# Altium PCB ST-Link V2.PcbDoc
Units mil, origin at the board's own origin, x right, y up, seen from the top; angles counter-clockwise.
Board outline 1620 x 722 mil, 2 copper layers (Top Layer, Bottom Layer); 35 components, 32 nets, 131 pads, 29 vias.
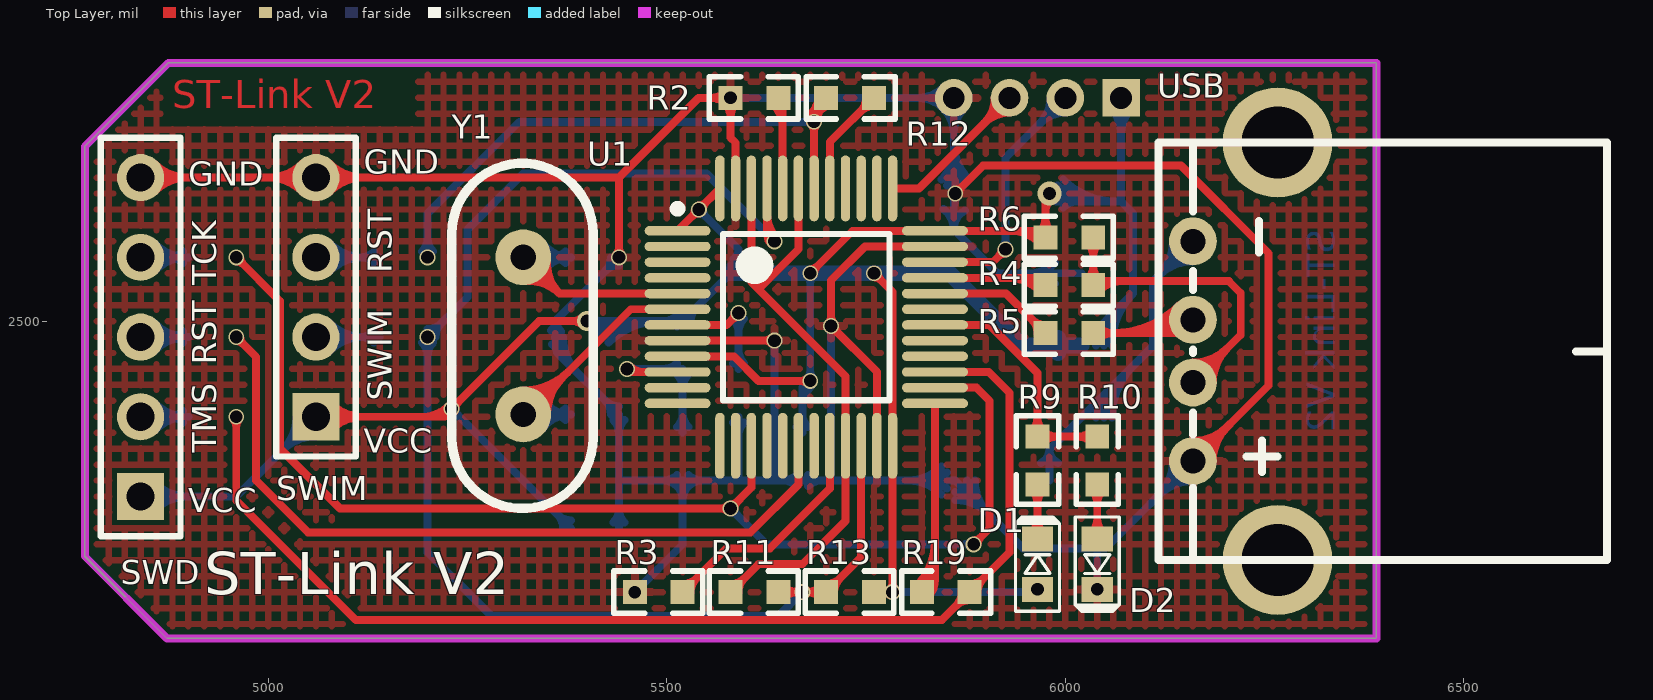
[diagram p0: Top Layer view]
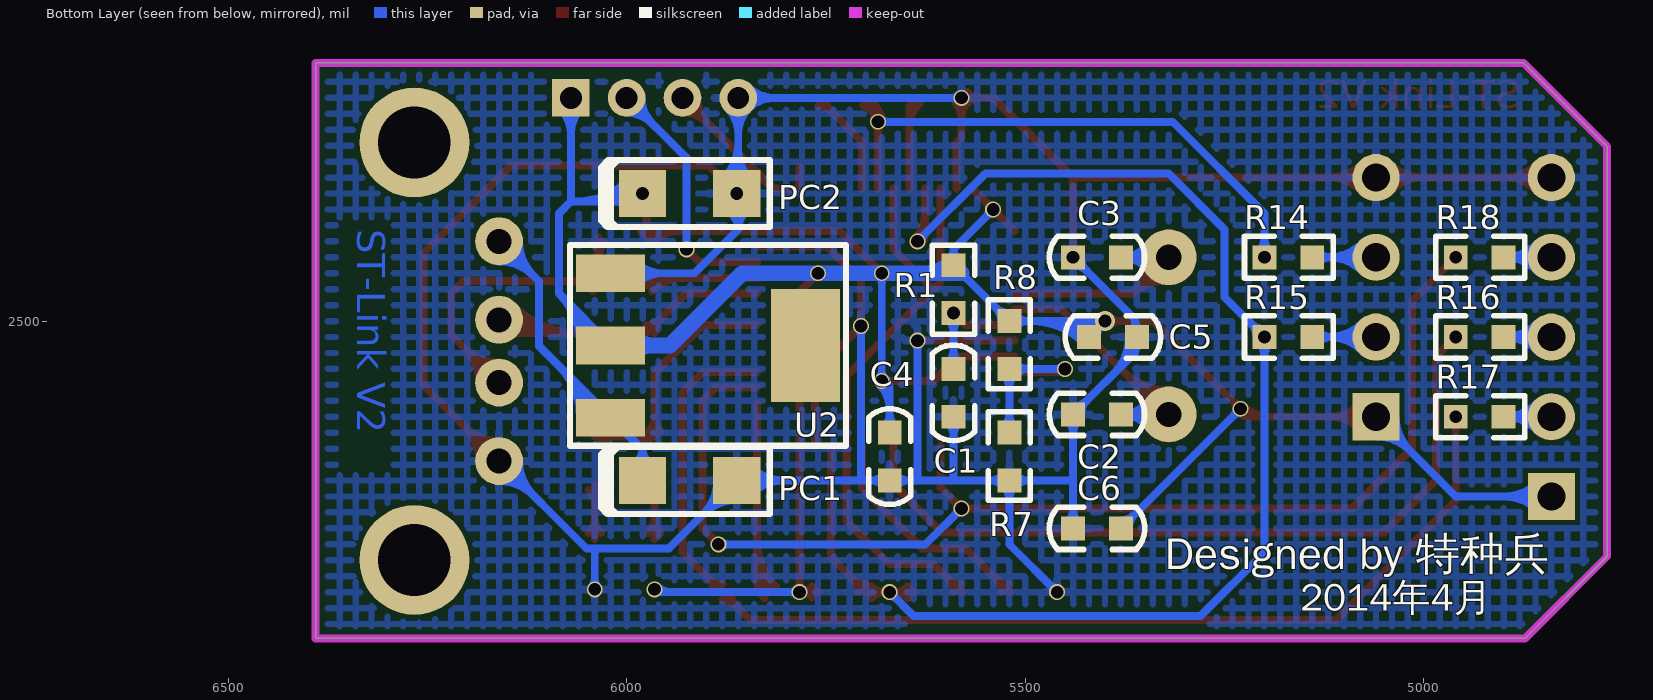
[diagram p1: Bottom Layer view, seen from below]
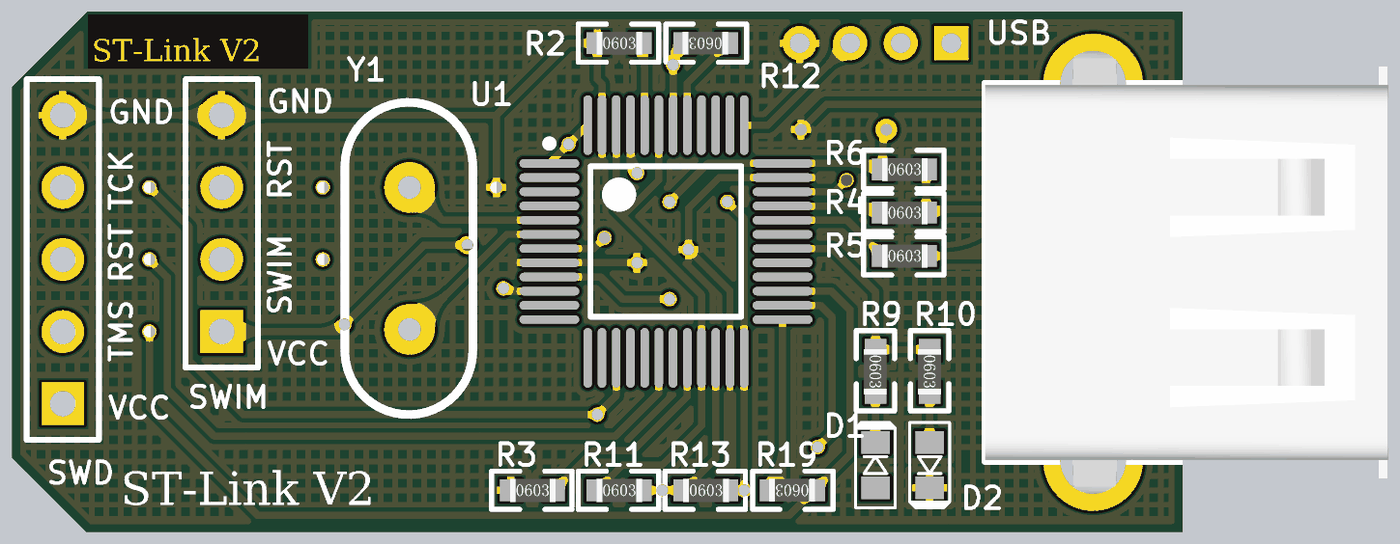
[diagram p2: 3D render of the assembled board from above, using the file's embedded part models]
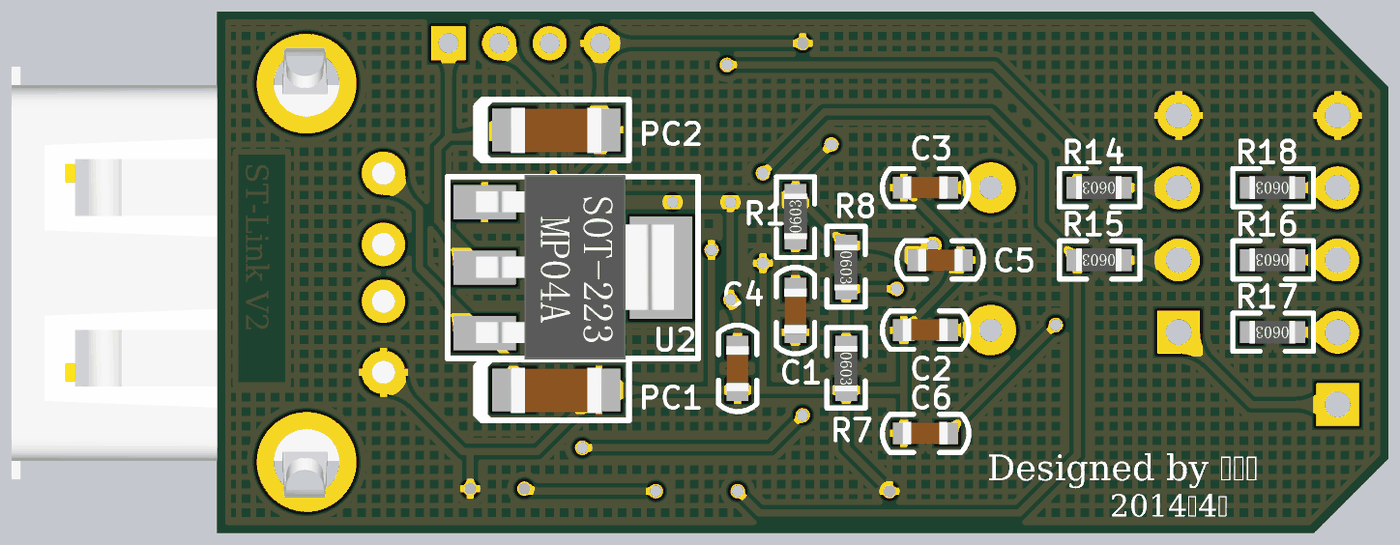
[diagram p3: 3D render of the assembled board from below, using the file's embedded part models]

## Layer stack, top to bottom
Top Layer: signal copper 1.4
Dielectric: dielectric 12.6, FR-4, Dk 4.8
Bottom Layer: signal copper 1.4

## Board outline
4875,2824 6390,2824 6390,2102 4873,2102 4770,2205 4770,2719

## Design rules (kind name [scope] priority, off if disabled: settings)
Clearance [All] p1: gap=6
HoleToHoleClearance [All] p1: gap=1 allowstackedmicrovias=TRUE
MinimumSolderMaskSliver [All] p1: minsoldermaskwidth=1
PlaneConnect [All] p1: planeconnectstyle=Relief reliefexpansion=20 reliefentries=4 reliefconductorwidth=10 reliefairgap=20
PolygonConnect [All] p1: connectstyle=Relief reliefconductorwidth=10 reliefentries=4 polygonreliefangle="90 Angle"
RoutingVias [All] p1: holewidth=50 width=50 viastyle="Through Hole" minholewidth=10 minwidth=10 maxholewidth=25 maxwidth=25
SilkToSilkClearance [All] p1: silktosilkclearance=1
SilkscreenOverComponentPads [All] p1: minsilkscreentomaskgap=1
SolderMaskExpansion [All] p1: expansion=4
Width [All] p1: maxlimit=20 minlimit=10 preferedwidth=10
23 further rules are at their usual default settings.

## Components (designator, comment, footprint, x,y, rotation, side; value= is the part's Value field where it differs from the comment)
C1 "" C0603 5590,2440 r270 bottom
C2 "" C0603 5380,2383 r0 bottom
C3 "" C0603 5380,2580 r0 bottom
C4 "" C0603 5670,2360 r270 bottom
C5 "" C0603 5420,2480 r180 bottom
C6 "" C0603 5380,2240 r0 bottom
D1 "红色" LED0603 5965,2195 r90 top
D2 "绿色" LED0603 6040,2195 r270 top
PC1 "" C1206A 5980,2300 r180 bottom
PC2 "" C1206A 5980,2660 r180 bottom
R1 "" R0603 5590,2510 r90 bottom
R2 "" R0603 5580,2780 r0 top
R3 "" R0603 5460,2160 r0 top
R4 "" R0603 5975,2545 r0 top
R5 "" R0603 5975,2485 r0 top
R6 "" R0603 5975,2605 r0 top
R7 "" R0603 5520,2360 r270 bottom
R8 "" R0603 5520,2500 r270 bottom
R9 "" R0603 5965,2355 r270 top
R10 "" R0603 6040,2355 r270 top
R11 "" R0603 5580,2160 r0 top
R12 "" R0603 5760,2780 r180 top
R13 "" R0603 5700,2160 r0 top
R14 "" R0603 5140,2580 r0 bottom
R15 "" R0603 5140,2480 r0 bottom
R16 "" R0603 4900,2480 r0 bottom
R17 "" R0603 4900,2380 r0 bottom
R18 "" R0603 4900,2580 r0 bottom
R19 "" R0603 5880,2160 r180 top
SWD "SWD" HDR1X5 4840,2280 r90 top
SWIM "SWIM" HDR1X4 5060,2380 r90 top
U1 "STM32F103C8T6" LQFP48_M 5675,2505 r0 top
U2 "AMS1117-3.3" SOT-223 6020,2560 r270 bottom
USB "USB公口" USB-H 6160,2600 r90 top
Y1 "8MHz" JZ 5320,2580 r90 top

## Footprints (in the part's own frame and the unit in brackets; to place one, negate y for a bottom-side part, rotate by r counter-clockwise, add the part's x,y. Pads: shape width x height; smd on the part's side, far side on the other; paste and mask are expansions set on the pad)
C0603 [mil]
  rect 30x30 smd: 1(0,0) 2(60,0)
  silkscreen extent -30,-27 90,27, body extent -1,-16 62,15, height 24
C1206A [mm]
  rect 1.5x1.5 smd: 1(0,0) 2(3,0)
  silkscreen extent -1.32,-1.07 4.06,1.07, body extent -0.1,-0.81 3.1,0.79, height 0.95
HDR1X4 [mm] "Connector; Header; 4 Position"
  rect 1.5x1.5 hole 0.9: 1(0,0)
  round 1.5 hole 0.9: 2(2.54,0) 3(5.08,0) 4(7.62,0)
  silkscreen extent -1.27,-1.27 8.89,1.27
HDR1X5 [mm] "Connector; Header; 5 Position"
  rect 1.5x1.5 hole 0.9: 1(0,0)
  round 1.5 hole 0.9: 2(2.54,0) 3(5.08,0) 4(7.62,0) 5(10.16,0)
  silkscreen extent -1.27,-1.27 11.43,1.27
JZ [mil]
  round 70 hole 31.5: 1(0,0) 2(-197,0)
  silkscreen extent -315,-88 118,90
LED0603 [mm]
  rect 0.8x1 smd: 1(-0.8,0) 2(0.8,0)
  silkscreen extent -1.5,-0.7 1.5,0.7
LQFP48_M [mm] "Thin QFP, 48-Leads, Body 7x7mm, Pitch 0.5mm, IPC Low Density"
  oval 2.1x0.3 smd: 1(-4.1,2.75) 2(-4.1,2.25) 3(-4.1,1.75) 4(-4.1,1.25) 5(-4.1,0.75) 6(-4.1,0.25) 7(-4.1,-0.25) 8(-4.1,-0.75) 9(-4.1,-1.25) 10(-4.1,-1.75) 11(-4.1,-2.25) 12(-4.1,-2.75) 25(4.1,-2.75) 26(4.1,-2.25) 27(4.1,-1.75) 28(4.1,-1.25) 29(4.1,-0.75) 30(4.1,-0.25) 31(4.1,0.25) 32(4.1,0.75) 33(4.1,1.25) 34(4.1,1.75) 35(4.1,2.25) 36(4.1,2.75)
  oval 0.3x2.1 smd: 13(-2.75,-4.1) 14(-2.25,-4.1) 15(-1.75,-4.1) 16(-1.25,-4.1) 17(-0.75,-4.1) 18(-0.25,-4.1) 19(0.25,-4.1) 20(0.75,-4.1) 21(1.25,-4.1) 22(1.75,-4.1) 23(2.25,-4.1) 24(2.75,-4.1) 37(2.75,4.1) 38(2.25,4.1) 39(1.75,4.1) 40(1.25,4.1) 41(0.75,4.1) 42(0.25,4.1) 43(-0.25,4.1) 44(-0.75,4.1) 45(-1.25,4.1) 46(-1.75,4.1) 47(-2.25,4.1) 48(-2.75,4.1)
  silkscreen extent -4.22,-2.65 2.65,3.57, body extent -3.5,-3.5 3.5,3.5, height 1.6
R0603 [mil]
  rect 30x30 smd: 1(0,0) 2(60,0)
  silkscreen extent -26,-27 85,26, body extent -1,-16 62,15, height 18
SOT-223 [mm]
  rect 1.2x2.2 smd: 1(0,0) 2(2.3,0) 3(4.6,0)
  rect 3.6x2.2 smd: 4(2.3,6.2)
  silkscreen extent -0.9,-1.3 5.5,7.5, body extent -0.97,-0.31 5.53,6.66
USB-H [mm]
  round 1.524 hole 0.8: 1(0,0) 2(-2.5,0) 3(-4.5,0) 4(-7,0)
  round 3.5 hole 2.3: 5(-10.15,-2.7) 5(3.15,-2.7)
  silkscreen extent -10.15,-13.2 3.15,1.1, body extent -11.4,-13.06 4.4,1.1, height 7.55

## Part data
C1 C2 C3 C4 C5 C6: library part Cap, "Capacitor"
D1 D2: library part LED2, "Typical RED, GREEN, YELLOW, AMBER GaAs LED"
PC1 PC2: library part "Cap Pol3", "Polarized Capacitor (Surface Mount)"
R1 R2 R3 R4 R5 R6 R7 R8 R9 R10 R11 R12 R13 R14 R15 R16 R17 R18 R19: library part Res2, "Resistor"
SWD: library part "Header 5", "Header, 5-Pin"
SWIM: library part "Header 4", "Header, 4-Pin"
U1: "STM32 ARM-based 32-bit MCU with 64 Kbytes Flash, 48-pin LQFP, Industrial Temperature"
U2: library part TL783C
Y1: library part XTAL, "Crystal Oscillator"

## Free pads (board coordinates)
  rect 47.24x47.24 hole 27.56: 1(6070,2780)
  round 47.24 hole 27.56: 2(6000,2780) 3(5930,2780) 4(5860,2780)

## Via types
v1: diameter 20, hole 16, Top Layer to Bottom Layer, 27 vias
v2: diameter 25, hole 16, Top Layer to Bottom Layer, 1 vias
v3: diameter 30, hole 16, Top Layer to Bottom Layer, 1 vias

## Nets (pads, with @x,y where several pads share a name; then routed paths per layer and width w, separated by ;. In a path a pad name is that pad's centre, name@x,y a point inside that pad or via, vN(x,y) a via of type N, cw(c..) or ccw(c..) an arc to the next point about the centre after c; other vN are vias at no path point)
BOOT0: R2.2 U1.44 | length 151.6
  Top Layer w10: R2.2@5632.93,2772.93 cw(c5602.65,2742.65) 5645.47,2742.65 ; R2.2@5635,2780 5645.47,2769.53 U1.44
BOOT1: R3.2 U1.20 | length 329.9
  Top Layer w10: R3.2 5575,2215 5629.53,2215 5704.53,2290 U1.20 ; R3.2@5520,2170 ccw(c5520,2194.14) 5537.07,2177.07 ccw(c5554.14,2160) R3.2@5530,2160
GND: C1.2 C2.2 C3.2 C4.2 C5.2 C6.2 D2.2 pad.4 PC1.2 PC2.2 R2.1 R3.1 R7.2 SWD.5 SWIM.4 U1.8 U1.23 U1.35 U1.47 U2.1 USB.4 | length 7089
  Top Layer w10: SWD.5 5440,2680 ; SWD.5@4850.27,2669.73 cw(c4875.07,2644.93) 4875.07,2680 cw(c4875.07,2715.07) SWD.5@4850.27,2690.27 ; SWD.5@4857.34,2662.66 cw(c4899.21,2620.79) 4899.21,2680 cw(c4899.21,2739.21) SWD.5@4857.34,2697.34 ; SWIM.4@5042.66,2662.66 ccw(c5000.79,2620.79) 5000.79,2680 ccw(c5000.79,2739.21) SWIM.4@5042.66,2697.34 ; SWIM.4@5049.73,2669.73 ccw(c5024.93,2644.93) 5024.93,2680 ccw(c5024.93,2715.07) SWIM.4@5049.73,2690.27 ; SWIM.4@5070.27,2669.73 cw(c5095.07,2644.93) 5095.07,2680 cw(c5095.07,2715.07) SWIM.4@5070.27,2690.27 ; SWIM.4@5077.34,2662.66 cw(c5119.21,2620.79) 5119.21,2680 cw(c5119.21,2739.21) SWIM.4@5077.34,2697.34 ; v1@5436.46,2583.54 ccw(c5427.93,2592.07) 5440,2592.07 ccw(c5452.07,2592.07) v1@5443.54,2583.54 ; v1(5440,2580) 5440,2680 ; U1.8 v1(5635,2475.47) ; R2.1@5572.93,2787.07 cw(c5555.86,2804.14) 5555.86,2780 cw(c5555.86,2755.86) 5572.93,2772.93 cw(c5555.86,2755.86) 5580,2755.86 cw(c5604.14,2755.86) R2.1@5587.07,2772.93 ; R2.1@5576.46,2783.54 cw(c5567.93,2792.07) 5567.93,2780 cw(c5567.93,2767.93) 5576.46,2776.46 cw(c5567.93,2767.93) 5580,2767.93 cw(c5592.07,2767.93) R2.1@5583.54,2776.46 ; U1.47 5586.42,2723.58 5580,2730 v1(5580,2780) 5540,2780 5440,2680 ; v1@5631.46,2471.94 ccw(c5622.93,2463.4) 5622.93,2475.47 ccw(c5622.93,2487.54) v1@5631.46,2479.01 ; v1@5702.64,2497.36 ccw(c5694.11,2505.89) 5706.18,2505.89 ccw(c5718.25,2505.89) v1@5709.71,2497.36 ; v1@5706.18,2488.82 cw(c5706.18,2476.75) 5714.71,2485.29 cw(c5723.25,2493.82) v1@5711.18,2493.82 ; U1.23 5763.58,2436.42 v1(5706.18,2493.82) 5706.18,2551.18 5748.58,2593.58 U1.35 ; pad.4 pad.4@5860,2785.56 ; v1(5861.89,2660) 5896.89,2695 6145,2695 6255,2585 6255,2419.41 USB.4 ; v1@5861.89,2665 ccw(c5861.89,2677.07) 5870.43,2668.54 ccw(c5878.96,2660) v1@5866.89,2660 ; USB.4@6160,2339.41 ccw(c6160,2375.62) 6185.61,2350.02 ccw(c6211.21,2324.41) USB.4@6175,2324.41 ; USB.4@6160,2349.41 ccw(c6160,2409.77) 6202.68,2367.09 ccw(c6245.36,2324.41) USB.4@6185,2324.41
  Bottom Layer w10: C5.2@5354.7,2488.48 ccw(c5345.98,2502.43) 5362.43,2502.43 ; C5.2@5355.74,2470.95 cw(c5350.79,2460.42) 5362.43,2460.42 ; C5.2 ccw(c5401.04,2480) 5372.02,2450.98 ; 5362.43,2461.72 cw(c5378.28,2461.72) C5.2@5367.07,2472.93 ; 5362.43,2498.28 ccw(c5378.28,2498.28) C5.2@5367.07,2487.07 ; C5.2@5370,2480 ccw(c5435.18,2480) 5389.09,2433.91 ; C2.2@5430,2383 ccw(c5405.86,2383) 5422.93,2400.07 ccw(c5440,2417.14) C2.2@5440,2393 ; C3.2@5430,2580 cw(c5405.86,2580) 5422.93,2562.93 cw(c5440,2545.86) C3.2@5440,2570 ; C6.2@5432.93,2247.07 ccw(c5415.86,2264.14) 5440,2264.14 ccw(c5464.14,2264.14) C6.2@5447.07,2247.07 ; C2.2@5432.93,2375.93 cw(c5415.86,2358.86) 5440,2358.86 cw(c5464.14,2358.86) C2.2@5447.07,2375.93 ; C3.2@5435,2580 cw(c5422.93,2580) 5431.46,2571.46 cw(c5440,2562.93) C3.2@5440,2575 ; C3.2@5437,2580 v1(5440,2580) 5362.43,2502.43 ; C6.2 5440,2300 ; v1(5460,2160) 5520,2220 R7.2 ; v1@5460,2165 ccw(c5460,2177.07) 5468.54,2168.54 ccw(c5477.07,2160) v1@5465,2160 ; R7.2@5512.93,2307.07 cw(c5495.86,2324.14) 5495.86,2300 cw(c5495.86,2275.86) 5512.93,2292.93 cw(c5495.86,2275.86) 5520,2275.86 cw(c5544.14,2275.86) 5527.07,2292.93 cw(c5544.14,2275.86) 5544.14,2300 cw(c5544.14,2324.14) R7.2@5527.07,2307.07 ; v1(5580,2780) pad.4 5860,2615 5915,2560 U2.1 ; C1.2@5582.93,2372.93 cw(c5565.86,2355.86) 5590,2355.86 cw(c5614.14,2355.86) C1.2@5597.07,2372.93 ; v1@5583.54,2776.46 cw(c5592.07,2767.93) 5592.07,2780 cw(c5592.07,2792.07) v1@5583.54,2783.54 ; C1.2 5590,2300 ; v1@5631.46,2471.94 cw(c5622.93,2463.4) 5635,2463.4 cw(c5647.07,2463.4) v1@5638.54,2471.94 ; v1(5635,2475.47) 5635,2300 ; C4.2@5662.93,2292.93 ccw(c5645.86,2275.86) 5645.86,2300 ccw(c5645.86,2324.14) C4.2@5662.93,2307.07 ; C4.2@5677.07,2292.93 cw(c5694.14,2275.86) 5694.14,2300 cw(c5694.14,2324.14) C4.2@5677.07,2307.07 ; v1@5702.64,2490.29 cw(c5694.11,2481.75) 5706.18,2481.75 cw(c5718.25,2481.75) v1@5709.71,2490.29 ; v1(5706.18,2493.82) 5706.18,2300 ; PC1.2@5844.55,2282.66 ccw(c5802.68,2240.79) 5802.68,2300 ccw(c5802.68,2359.21) PC1.2@5844.55,2317.34 ; PC2.2@5844.55,2677.34 ccw(c5807.24,2714.65) 5860,2714.65 ; pad.4@5846.83,2793.17 cw(c5815.04,2824.96) 5815.04,2780 cw(c5815.04,2735.04) 5846.83,2766.83 cw(c5815.04,2735.04) 5860,2735.04 cw(c5904.96,2735.04) pad.4@5873.17,2766.83 ; PC2.2@5847.26,2640.32 cw(c5828.41,2614.96) 5860,2614.96 cw(c5887.07,2614.96) PC2.2@5873.86,2638.59 ; PC1.2@5851.62,2289.73 ccw(c5826.82,2264.93) 5826.82,2300 ccw(c5826.82,2335.07) PC1.2@5851.62,2310.27 ; PC2.2@5851.62,2670.27 ccw(c5831.38,2690.51) 5860,2690.51 ; PC2.2@5860,2643.37 cw(c5878.52,2643.37) PC2.2@5865.43,2656.46 ; PC2.2@5860,2676.63 ccw(c5878.52,2676.63) PC2.2@5865.43,2663.54 ; 5860,2699.63 ccw(c5901.52,2699.63) PC2.2@5872.16,2670.27 ; 5860,2723.78 ccw(c5925.67,2723.78) PC2.2@5879.23,2677.34 ; PC1.2@5861.89,2275.47 cw(c5861.89,2216.26) 5903.76,2258.13 cw(c5945.63,2300) PC1.2@5886.42,2300 ; PC1.2@5861.89,2285.47 cw(c5861.89,2250.4) 5886.69,2275.2 cw(c5911.49,2300) PC1.2@5876.42,2300 ; U2.1@5987.15,2546.83 ccw(c5955.36,2515.04) 5955.36,2560 ccw(c5955.36,2604.96) U2.1@5987.15,2573.17 ; v1@6036.46,2167.04 ccw(c6027.93,2175.57) 6040,2175.57 ccw(c6052.07,2175.57) v1@6043.54,2167.04 ; v1(6040,2163.5) 6040,2215 ; USB.4@6135,2324.41 cw(c6074.64,2324.41) 6117.32,2281.73 cw(c6160,2239.05) USB.4@6160,2299.41 ; USB.4@6145,2324.41 cw(c6108.79,2324.41) 6134.39,2298.8 cw(c6160,2273.2) USB.4@6160,2309.41 ; USB.4 6050.59,2215 6040,2215 ; 5362.43,2502.43 5362.43,2460.57 C2.2 5440,2300 ; 5440,2300 R7.2 ; R7.2 5590,2300 ; 5590,2300 5635,2300 ; 5635,2300 5706.18,2300 ; 5706.18,2300 PC1.2 5946.89,2215 6040,2215
ISP_SWCLK: pad.3 U1.37 | length 291.2
  Top Layer w10: U1.37@5783.27,2693.27 U1.37 5816.42,2666.42 pad.3 ; pad.3@5911.38,2780 cw(c5866.42,2780) 5898.21,2748.21 cw(c5930,2716.42) pad.3@5930,2761.38
ISP_SWDIO: pad.2 U1.34 | length 424.9
  Top Layer w10: U1.34 5908.9,2573.9 v1(5925,2590) ; v1@5920,2590 cw(c5907.93,2590) 5916.46,2581.46 cw(c5925,2572.93) v1@5925,2585
  Bottom Layer w10: v1@5921.46,2593.54 ccw(c5912.93,2602.07) 5925,2602.07 ccw(c5937.07,2602.07) v1@5928.54,2593.54 ; v1(5925,2590) 5925,2705 pad.2 ; pad.2@5981.38,2780 cw(c5936.42,2780) 5968.21,2748.21 cw(c6000,2716.42) pad.2@6000,2761.38
JTCK: R18.2 U1.15 U1.26 | length 1649.3
  Top Layer w10: v1@4960,2575 cw(c4960,2562.93) 4968.54,2571.46 cw(c4977.07,2580) v1@4965,2580 ; v1(4960,2580) 5015,2525 5015,2340 5090,2265 v1(5580,2265) 5606.1,2291.1 U1.15 ; v1@5576.46,2261.46 ccw(c5567.93,2252.93) 5567.93,2265 ccw(c5567.93,2277.07) v1@5576.46,2268.54 ; v1@5580,2270 ccw(c5580,2282.07) 5588.54,2273.54 ccw(c5597.07,2265) v1@5585,2265 ; U1.26 5888.58,2416.42 5905,2400 5905,2240 v1(5885,2220) ; v1@5885,2225 ccw(c5885,2237.07) 5893.54,2228.54 ccw(c5902.07,2220) v1@5890,2220
  Bottom Layer w10: v1@5580,2260 cw(c5580,2247.93) 5588.54,2256.46 cw(c5597.07,2265) v1@5585,2265 ; v1(5580,2265) 5625,2220 v1(5885,2220) ; v1@5881.46,2216.46 ccw(c5872.93,2207.93) 5872.93,2220 ccw(c5872.93,2232.07) v1@5881.46,2223.54
JTMS: R17.2 R19.1 U1.27 | length 1571.5
  Top Layer w10: v1@4956.46,2376.46 cw(c4947.93,2367.93) 4960,2367.93 cw(c4972.07,2367.93) v1@4963.54,2376.46 ; v1(4960,2380) 4960,2275 5110,2125 5845,2125 R19.1 5930,2210 5930,2410 5903.9,2436.1 U1.27 ; R19.1@5870,2160 cw(c5845.86,2160) 5862.93,2142.93 cw(c5880,2125.86) R19.1@5880,2150 ; R19.1@5880,2170 ccw(c5880,2194.14) 5897.07,2177.07 ccw(c5914.14,2160) R19.1@5890,2160
LED: R9.1 R10.1 U1.30 | length 422.3
  Top Layer w10: U1.30 5904.84,2495.16 5965,2435 R9.1 R10.1 ; R9.1@5957.93,2362.07 ccw(c5940.86,2379.14) 5965,2379.14 ccw(c5989.14,2379.14) 5972.07,2362.07 ccw(c5989.14,2379.14) 5989.14,2355 ccw(c5989.14,2330.86) R9.1@5972.07,2347.93 ; R10.1@6032.93,2347.93 ccw(c6015.86,2330.86) 6015.86,2355 ccw(c6015.86,2379.14) R10.1@6032.93,2362.07
NetD1_2: D1.2 R9.2 | length 147.2
  Top Layer w10: D1.2@5957.4,2234.1 ccw(c5939.05,2252.44) 5965,2252.44 ccw(c5990.95,2252.44) D1.2@5972.6,2234.1 ; R9.2@5957.93,2287.93 cw(c5940.86,2270.86) 5965,2270.86 cw(c5989.14,2270.86) R9.2@5972.07,2287.93 ; D1.2 R9.2
NetD2_1: D2.1 R10.2 | length 147.2
  Top Layer w10: D2.1@6032.4,2234.1 ccw(c6014.05,2252.44) 6040,2252.44 ccw(c6065.95,2252.44) D2.1@6047.6,2234.1 ; R10.2@6032.93,2287.93 cw(c6015.86,2270.86) 6040,2270.86 cw(c6064.14,2270.86) R10.2@6047.07,2287.93 ; D2.1 R10.2
NetR4_1: R4.1 U1.33 | length 210.8
  Top Layer w10: U1.33 5965.79,2554.21 R4.1 ccw(c5952.76,2522.76) 5952.76,2554.21 ; 5928.62,2554.21 cw(c5928.62,2498.62) R4.1@5967.93,2537.93
NetR5_1: R5.1 U1.32 | length 197
  Top Layer w10: U1.32 5925.47,2534.53 R5.1 ; R5.1@5965,2485 ccw(c5940.86,2485) 5957.93,2502.07 ccw(c5975,2519.14) R5.1@5975,2495
NetR14_1: R14.1 SWIM.3 | length 266
  Bottom Layer w10: SWIM.3 R14.1 ; SWIM.3@5070.27,2569.73 cw(c5095.07,2544.93) 5095.07,2580 cw(c5095.07,2615.07) SWIM.3@5070.27,2590.27 ; SWIM.3@5077.34,2562.66 cw(c5119.21,2520.79) 5119.21,2580 cw(c5119.21,2639.21) SWIM.3@5077.34,2597.34 ; R14.1@5132.93,2572.93 ccw(c5115.86,2555.86) 5115.86,2580 ccw(c5115.86,2604.14) R14.1@5132.93,2587.07
NetR15_1: R15.1 SWIM.2 | length 266
  Bottom Layer w10: SWIM.2 R15.1 ; SWIM.2@5070.27,2469.73 cw(c5095.07,2444.93) 5095.07,2480 cw(c5095.07,2515.07) SWIM.2@5070.27,2490.27 ; SWIM.2@5077.34,2462.66 cw(c5119.21,2420.79) 5119.21,2480 cw(c5119.21,2539.21) SWIM.2@5077.34,2497.34 ; R15.1@5132.93,2472.93 ccw(c5115.86,2455.86) 5115.86,2480 ccw(c5115.86,2504.14) R15.1@5132.93,2487.07
NetR16_1: R16.1 SWD.3 | length 246
  Bottom Layer w10: SWD.3 R16.1 ; SWD.3@4850.27,2469.73 cw(c4875.07,2444.93) 4875.07,2480 cw(c4875.07,2515.07) SWD.3@4850.27,2490.27 ; SWD.3@4857.34,2462.66 cw(c4899.21,2420.79) 4899.21,2480 cw(c4899.21,2539.21) SWD.3@4857.34,2497.34 ; R16.1@4892.93,2472.93 ccw(c4875.86,2455.86) 4875.86,2480 ccw(c4875.86,2504.14) R16.1@4892.93,2487.07
NetR17_1: R17.1 SWD.2 | length 246
  Bottom Layer w10: SWD.2 R17.1 ; SWD.2@4850.27,2369.73 cw(c4875.07,2344.93) 4875.07,2380 cw(c4875.07,2415.07) SWD.2@4850.27,2390.27 ; SWD.2@4857.34,2362.66 cw(c4899.21,2320.79) 4899.21,2380 cw(c4899.21,2439.21) SWD.2@4857.34,2397.34 ; R17.1@4892.93,2372.93 ccw(c4875.86,2355.86) 4875.86,2380 ccw(c4875.86,2404.14) R17.1@4892.93,2387.07
NetR18_1: R18.1 SWD.4 | length 246
  Bottom Layer w10: SWD.4 R18.1 ; SWD.4@4850.27,2569.73 cw(c4875.07,2544.93) 4875.07,2580 cw(c4875.07,2615.07) SWD.4@4850.27,2590.27 ; SWD.4@4857.34,2562.66 cw(c4899.21,2520.79) 4899.21,2580 cw(c4899.21,2639.21) SWD.4@4857.34,2597.34 ; R18.1@4892.93,2572.93 ccw(c4875.86,2555.86) 4875.86,2580 ccw(c4875.86,2604.14) R18.1@4892.93,2587.07
NRST: R16.2 U1.18 | length 989.7
  Top Layer w10: v1@4960,2475 cw(c4960,2462.93) 4968.54,2471.46 cw(c4977.07,2480) v1@4965,2480 ; v1(4960,2480) 4985,2455 4985,2300 5050,2235 5605,2235 5665.16,2295.16 U1.18
OSC_IN: C3.1 U1.5 Y1.1 | length 606.3
  Top Layer w10: Y1.1 5365.47,2534.53 ; Y1.1@5321.75,2560.08 cw(c5324.9,2524.27) 5350.31,2549.69 cw(c5375.73,2575.1) Y1.1@5339.92,2578.25 ; Y1.1@5322.63,2550.12 cw(c5327.34,2496.4) 5365.47,2534.53 ; Y1.1@5349.88,2577.37 ccw(c5403.6,2572.66) 5365.47,2534.53 ; U1.5 5365.47,2534.53
  Bottom Layer w10: Y1.1 C3.1 ; Y1.1@5336,2568 cw(c5360,2550) 5360,2580 cw(c5360,2610) Y1.1@5336,2592 ; Y1.1@5344,2562 cw(c5380,2535.01) C3.1 ; Y1.1@5344,2598 ccw(c5380,2624.99) C3.1 ; C3.1@5372.93,2572.93 ccw(c5355.86,2555.86) 5355.86,2580 ccw(c5355.86,2604.14) C3.1@5372.93,2587.07
OSC_OUT: C2.1 U1.6 Y1.2 | length 671.8
  Top Layer w10: Y1.2@5320,2403 ccw(c5320,2458.53) 5359.26,2419.26 ; Y1.2@5320,2413 ccw(c5320,2492.67) 5376.33,2436.33 ; Y1.2@5323,2383 5454.84,2514.84 U1.6 ; Y1.2@5340,2383 cw(c5381.04,2383) 5352.02,2412.02 ; Y1.2@5350,2383 cw(c5415.18,2383) 5369.09,2429.09
  Bottom Layer w10: Y1.2 C2.1 ; Y1.2@5336,2371 cw(c5360,2353) 5360,2383 cw(c5360,2413) Y1.2@5336,2395 ; Y1.2@5344,2365 cw(c5380,2338.01) C2.1 ; Y1.2@5344,2401 ccw(c5380,2427.99) C2.1 ; C2.1@5372.93,2375.93 ccw(c5355.86,2358.86) 5355.86,2383 ccw(c5355.86,2407.14) C2.1@5372.93,2390.07
PA0: R7.1 R8.2 U1.10 | length 367.9
  Top Layer w10: v1(5450,2440) 5453.9,2436.1 U1.10 ; v1@5453.54,2443.54 ccw(c5471.48,2461.48) 5471.48,2436.1
  Bottom Layer w10: v1(5450,2440) R8.2 R7.1 ; v1@5453.54,2436.46 cw(c5462.07,2427.93) 5462.07,2440 cw(c5462.07,2452.07) v1@5453.54,2443.54 ; R7.1@5512.93,2367.07 ccw(c5495.86,2384.14) 5520,2384.14 ccw(c5544.14,2384.14) R7.1@5527.07,2367.07 ; R8.2@5512.93,2447.07 cw(c5495.86,2464.14) 5495.86,2440 cw(c5495.86,2415.86) 5512.93,2432.93 cw(c5495.86,2415.86) 5520,2415.86 cw(c5544.14,2415.86) R8.2@5527.07,2432.93
RST: C1.1 R1.1 U1.7 | length 266.3
  Top Layer w10: U1.7 5575.16,2495.16 v1(5590,2510) ; v1@5585,2510 cw(c5572.93,2510) 5581.46,2501.46 cw(c5590,2492.93) v1@5590,2505
  Bottom Layer w10: C1.1@5582.93,2447.07 ccw(c5565.86,2464.14) 5590,2464.14 ccw(c5614.14,2464.14) C1.1@5597.07,2447.07 ; R1.1@5582.93,2502.93 cw(c5565.86,2485.86) 5590,2485.86 cw(c5614.14,2485.86) R1.1@5597.07,2502.93 ; R1.1@5586.46,2506.46 cw(c5577.93,2497.93) 5590,2497.93 cw(c5602.07,2497.93) R1.1@5593.54,2506.46 ; C1.1 v1(5590,2510)
RX: U1.31
SWDIO_IN: R19.2 U1.25 | length 411.3
  Top Layer w10: R19.2@5812.93,2167.07 ccw(c5756.22,2223.78) 5836.42,2223.78 ; R19.2@5820.28,2170 ccw(c5820.9,2191.94) 5836.42,2176.42 ; R19.2@5827.07,2152.93 ccw(c5804.51,2175.49) 5836.42,2175.49 ; R19.2@5830,2160.28 cw(c5851.94,2160.9) 5836.42,2176.42 ; 5836.42,2199.63 cw(c5780.37,2199.63) R19.2 5836.42,2176.42 ; U1.25 5836.42,2176.42
SWIM: R11.2 R13.1 R15.2 U1.22 U1.45 | length 2075.3
  Top Layer w10: 5625.79,2610.17 ccw(c5645.17,2610.17) v1@5631.46,2596.46 ; U1.45@5625.79,2634.31 ccw(c5669.31,2634.31) v1@5638.54,2603.54 ; U1.45 5625.79,2609.21 v1(5635,2600) ; R11.2 R13.1 5743.9,2203.9 U1.22 ; R11.2@5647.07,2152.93 cw(c5664.14,2135.86) 5664.14,2160 cw(c5664.14,2184.14) R11.2@5647.07,2167.07 ; v1@5666.46,2156.46 ccw(c5657.93,2147.93) 5657.93,2160 ccw(c5657.93,2172.07) v1@5666.46,2163.54 ; v1@5673.54,2156.46 cw(c5682.07,2147.93) 5682.07,2160 cw(c5682.07,2172.07) v1@5673.54,2163.54 ; R13.1@5692.93,2152.93 ccw(c5675.86,2135.86) 5675.86,2160 ccw(c5675.86,2184.14) R13.1@5692.93,2167.07 ; R13.1@5700,2170 ccw(c5700,2194.14) 5717.07,2177.07 ccw(c5734.14,2160) R13.1@5710,2160
  Bottom Layer w10: R15.2@5192.93,2472.93 cw(c5175.86,2455.86) 5200,2455.86 cw(c5224.14,2455.86) R15.2@5207.07,2472.93 ; R15.2@5196.46,2476.46 cw(c5187.93,2467.93) 5200,2467.93 cw(c5212.07,2467.93) R15.2@5203.54,2476.46 ; R15.2@5200,2485 ccw(c5200,2497.07) 5208.54,2488.54 ccw(c5217.07,2480) R15.2@5205,2480 ; R15.2@5200,2490 ccw(c5200,2514.14) 5217.07,2497.07 ccw(c5234.14,2480) R15.2@5210,2480 ; v1@5630,2600 ccw(c5617.93,2600) 5626.46,2608.54 ccw(c5635,2617.07) v1@5635,2605 ; v1(5635,2600) 5550,2685 5320,2685 5250,2615 5250,2530 v1(5200,2480) 5200,2210 5280,2130 5640,2130 v1(5670,2160) ; v1@5665,2160 cw(c5652.93,2160) 5661.46,2151.46 cw(c5670,2142.93) v1@5670,2155
SWIM_IN: R11.1 U1.21 U1.43 U1.46 | length 917.5
  Top Layer w10: R11.1 5615,2195 5670,2195 5724.21,2249.21 U1.21 5724.21,2430.79 5606.1,2548.9 ; R11.1@5580,2170 ccw(c5580,2194.14) 5597.07,2177.07 ccw(c5614.14,2160) R11.1@5590,2160 ; 5606.1,2593.9 U1.46 5606.1,2548.9 ; U1.43 5665.16,2590.16 5615,2540 5606.1,2548.9
SWIM_RST: R12.2 R14.2 U1.42 | length 961.5
  Top Layer w10: v1@5679.88,2749.41 cw(c5699.16,2751.7) R12.2@5685.43,2765.43 ; v1@5681.31,2746.46 cw(c5672.77,2737.93) 5684.84,2737.93 cw(c5696.91,2737.93) v1@5688.38,2746.46 ; v1@5681.31,2753.54 ccw(c5672.77,2762.07) 5684.84,2762.07 ccw(c5696.91,2762.07) v1@5688.38,2753.54 ; U1.42 v1(5684.84,2750) 5684.84,2764.84 ; v1@5684.84,2746.39 cw(c5709.87,2746.39) R12.2@5702.82,2770.41 ; v1@5684.84,2759.75 cw(c5705.95,2759.75) R12.2 ; v1@5689.81,2750.59 cw(c5725.2,2754.79) R12.2 ; R12.2@5690.04,2779.12 cw(c5672.13,2777.55) 5684.84,2764.84 ; R12.2@5699.12,2770.04 ccw(c5697.55,2752.13) 5684.84,2764.84 ; 5684.84,2764.84 R12.2
  Bottom Layer w10: R14.2@5192.93,2587.07 ccw(c5175.86,2604.14) 5200,2604.14 ccw(c5224.14,2604.14) R14.2@5207.07,2587.07 ; R14.2@5196.46,2583.54 ccw(c5187.93,2592.07) 5200,2592.07 ccw(c5212.07,2592.07) R14.2@5203.54,2583.54 ; v1(5200,2580) 5200,2635 5315,2750 v1(5684.84,2750) ; v1@5681.31,2746.46 ccw(c5672.77,2737.93) 5672.77,2750 ccw(c5672.77,2762.07) v1@5681.31,2753.54
SWIM_RST_IN: R12.1 U1.41 | length 174.5
  Top Layer w10: U1.41 5704.53,2724.53 R12.1 ; R12.1@5750,2780 cw(c5725.86,2780) 5742.93,2762.93 cw(c5760,2745.86) R12.1@5760,2770
USB_DM: R5.2 USB.2 | length 423.4
  Top Layer w10: R5.2 6143.42,2485 USB.2 ; R5.2@6042.07,2477.93 cw(c6059.14,2460.86) 6059.14,2485 cw(c6059.14,2509.14) R5.2@6042.07,2492.07 ; 6059.63,2485 ccw(c6059.63,2601.95) USB.2@6142.32,2519.25 ; 6083.77,2485 ccw(c6083.77,2577.8) USB.2@6149.39,2512.18 ; 6107.91,2485 ccw(c6107.91,2553.66) USB.2@6156.46,2505.11 ; 6132.06,2485 ccw(c6132.06,2529.52) USB.2@6163.54,2498.04
USB_DP: R4.2 R6.2 USB.3 | length 643.1
  Top Layer w10: R4.2@6027.93,2552.07 ccw(c6010.86,2569.14) 6035,2569.14 ccw(c6059.14,2569.14) R4.2@6042.07,2552.07 ; R6.2@6027.93,2597.93 cw(c6010.86,2580.86) 6035,2580.86 cw(c6059.14,2580.86) R6.2@6042.07,2597.93 ; R6.2 6035,2550 6205,2550 6220,2535 6220,2482.84 USB.3 ; R4.2@6042.07,2537.93 cw(c6071.21,2508.79) 6071.21,2550 ; USB.3@6160,2437.84 ccw(c6160,2474.05) 6185.61,2448.44 ccw(c6211.21,2422.84) USB.3@6175,2422.84 ; USB.3@6160,2447.84 ccw(c6160,2508.19) 6202.68,2465.51 ccw(c6245.36,2422.84) USB.3@6185,2422.84
V5.0: PC1.1 U2.3 USB.1 | length 729.1
  Bottom Layer w10: PC1.1@5969.43,2322.13 ccw(c5961.42,2338.9) 5980,2338.9 ; PC1.1 5980,2338.9 ; PC1.1@5990.57,2322.13 cw(c5998.58,2338.9) 5980,2338.9 ; U2.3@6038.31,2378.9 cw(c6082.5,2378.9) 6051.25,2410.15 ; U2.3@6048.31,2378.9 cw(c6116.65,2378.9) 6068.32,2427.22 ; U2.3@6058.31,2378.9 cw(c6150.79,2378.9) 6085.39,2444.29 ; USB.1@6135,2600 cw(c6074.64,2600) 6117.32,2557.32 cw(c6160,2514.64) USB.1@6160,2575 ; USB.1@6145,2600 cw(c6108.79,2600) 6134.39,2574.39 cw(c6160,2548.79) USB.1@6160,2585 ; USB.1 6110,2550 6110,2468.9 U2.3 5980,2338.9
VCC: C4.1 C5.1 C6.1 D1.1 pad.1 PC2.1 R1.2 R6.1 R8.1 R13.2 SWD.1 SWIM.1 U1.1 U1.9 U1.24 U1.36 U1.48 U2.2 | length 5608.7
  Top Layer w10: SWIM.1 5220,2380 5340,2500 v2(5400,2500) ; SWIM.1@5070.27,2369.73 cw(c5095.07,2344.93) 5095.07,2380 cw(c5095.07,2415.07) SWIM.1@5070.27,2390.27 ; SWIM.1@5077.34,2362.66 cw(c5119.21,2320.79) 5119.21,2380 cw(c5119.21,2439.21) SWIM.1@5077.34,2397.34 ; 5193.79,2380 ccw(c5193.79,2426.21) v1@5226.46,2393.54 ; 5217.93,2380 ccw(c5217.93,2402.07) v1@5233.54,2386.46 ; v1@5230,2395 ccw(c5230,2407.07) 5238.54,2398.54 ccw(c5247.07,2390) v1@5235,2390 ; v2@5394.7,2494.7 ccw(c5381.89,2481.89) 5381.89,2500 ccw(c5381.89,2518.11) v2@5394.7,2505.3 ; U1.9 5584.21,2455.79 5615,2425 v1(5680,2425) ; U1.1 v1(5540.21,2639.9) U1.48 ; v1@5535.21,2639.9 cw(c5523.14,2639.9) 5531.68,2631.36 cw(c5540.21,2622.83) v1@5540.21,2634.9 ; v1@5540.21,2644.9 ccw(c5540.21,2656.97) 5548.75,2648.43 ccw(c5557.28,2639.9) v1@5545.21,2639.9 ; v1@5676.46,2421.46 ccw(c5667.93,2412.93) 5667.93,2425 ccw(c5667.93,2437.07) v1@5676.46,2428.54 ; v1(5680,2560) 5733.27,2613.27 U1.36 5966.73,2613.27 R6.1 ; v1@5680,2565 ccw(c5680,2577.07) 5688.54,2568.54 ccw(c5697.07,2560) v1@5685,2560 ; R13.2 v1(5783.27,2160) ; v1@5760,2555 cw(c5760,2542.93) 5768.54,2551.46 cw(c5777.07,2560) v1@5765,2560 ; v1(5760,2560) 5783.27,2536.73 U1.24 v1(5783.27,2160) ; R13.2@5767.26,2153.12 cw(c5783.27,2137.93) v1(5783.27,2160) ; R13.2@5767.26,2166.88 ccw(c5783.27,2182.07) v1(5783.27,2160) ; v1@5779.73,2156.46 ccw(c5771.2,2147.93) 5771.2,2160 ccw(c5771.2,2172.07) 5779.73,2163.54 ccw(c5771.2,2172.07) 5783.27,2172.07 ccw(c5795.34,2172.07) v1@5786.8,2163.54 ; 5930.9,2613.27 cw(c5930.9,2560.9) R6.1@5967.93,2597.93 ; 5955.04,2613.27 cw(c5955.04,2585.04) R6.1 ; R6.1@5967.93,2612.07 ccw(c5950.86,2629.14) 5975,2629.14 ccw(c5999.14,2629.14) R6.1@5982.07,2612.07 ; 5975,2635.86 cw(c6004.14,2635.86) v3@5983.54,2656.46 ; v3(5980,2660) 5975,2655 R6.1
  Bottom Layer w10: SWD.1 4960,2280 SWIM.1 ; SWD.1@4850.27,2269.73 cw(c4875.07,2244.93) 4875.07,2280 cw(c4875.07,2315.07) SWD.1@4850.27,2290.27 ; SWD.1@4857.34,2262.66 cw(c4899.21,2220.79) 4899.21,2280 cw(c4899.21,2339.21) SWD.1@4857.34,2297.34 ; SWIM.1@5035.47,2380 cw(c4976.26,2380) 5018.13,2338.13 cw(c5060,2296.26) SWIM.1@5060,2355.47 ; SWIM.1@5045.47,2380 cw(c5010.4,2380) 5035.2,2355.2 cw(c5060,2330.4) SWIM.1@5060,2365.47 ; v1@5230,2385 cw(c5230,2372.93) 5238.54,2381.46 cw(c5247.07,2390) v1@5235,2390 ; v1(5230,2390) C6.1 ; C6.1@5370,2240 ccw(c5345.86,2240) 5362.93,2257.07 ccw(c5380,2274.14) C6.1@5380,2250 ; v2@5400,2492.5 cw(c5400,2474.39) 5412.8,2487.2 cw(c5425.61,2500) v2@5407.5,2500 ; C5.1@5405.3,2494.7 cw(c5418.11,2481.89) 5418.11,2500 cw(c5418.11,2518.11) v2@5405.3,2505.3 ; C5.1@5405.86,2494.14 cw(c5420,2480) 5420,2500 ; C5.1@5410,2480 ccw(c5385.86,2480) 5402.93,2497.07 ccw(c5420,2514.14) C5.1@5420,2490 ; C5.1@5412.93,2487.07 cw(c5444.14,2455.86) 5444.14,2500 ; C5.1@5427.07,2472.93 cw(c5492.43,2407.57) 5492.43,2500 ; 5468.28,2500 ccw(c5468.28,2431.72) C5.1 v2(5400,2500) R8.1 R1.2@5580,2560 ; R8.1@5512.93,2492.93 ccw(c5495.86,2475.86) 5495.86,2500 ccw(c5495.86,2524.14) R8.1@5512.93,2507.07 ; R8.1@5520,2510 ccw(c5520,2534.14) 5537.07,2517.07 ccw(c5554.14,2500) R8.1@5530,2500 ; v1@5540.21,2634.9 cw(c5540.21,2622.83) 5548.75,2631.36 cw(c5557.28,2639.9) v1@5545.21,2639.9 ; v1(5540.21,2639.9) 5590,2590.11 ; R1.2@5580,2570 cw(c5555.86,2570) 5572.93,2552.93 cw(c5590,2535.86) 5590,2560 5590,2590.11 ; R1.2@5583.96,2577.97 ccw(c5574.78,2590.11) 5590,2590.11 ; R1.2@5596.04,2577.97 cw(c5605.22,2590.11) 5590,2590.11 ; C4.1@5662.93,2367.07 ccw(c5645.86,2384.14) 5670,2384.14 ccw(c5694.14,2384.14) C4.1@5677.07,2367.07 ; C4.1 5670,2415 v1(5680,2425) v1(5680,2560) ; 5670,2388.79 cw(c5716.21,2388.79) v1@5683.54,2421.46 ; 5670,2412.93 cw(c5692.07,2412.93) 5676.46,2428.54 ccw(c5667.93,2437.07) 5680,2437.07 ccw(c5692.07,2437.07) v1@5683.54,2428.54 ; v1@5676.46,2556.46 cw(c5667.93,2547.93) 5680,2547.93 cw(c5692.07,2547.93) v1@5683.54,2556.46 ; v1(5783.27,2160) v1@5961.5,2160 ; v1@5786.8,2156.46 cw(c5795.34,2147.93) 5795.34,2160 cw(c5795.34,2172.07) v1@5786.8,2163.54 ; 5944.47,2160 ccw(c5944.47,2184.03) v1@5961.46,2167.04 ; PC2.1@5976.46,2656.46 ccw(c5992.07,2672.07) PC2.1@5992.07,2650 ; v3(5980,2660) 5990,2650 6070,2650 ; PC2.1@5983.2,2663.2 ccw(c6015.07,2695.07) 6015.07,2650 ccw(c6015.07,2624.93) PC2.1@5997.34,2642.66 ; PC2.1@5983.54,2663.54 ccw(c6016.21,2696.21) 6016.21,2650 ; PC2.1@5990.27,2670.27 ccw(c6039.21,2719.21) 6039.21,2650 ; PC2.1@5997.34,2677.34 ccw(c6063.36,2743.36) 6063.36,2650 ; U2.2 6085,2534.45 ; U2.2@6038.31,2469.44 cw(c6081.98,2469.66) 6051.1,2500.55 ; U2.2@6048.31,2469.49 cw(c6115.71,2469.84) 6068.05,2517.5 ; pad.1@6056.83,2766.83 cw(c6025.04,2735.04) 6070,2735.04 cw(c6114.96,2735.04) pad.1@6083.17,2766.83 ; U2.2@6058.31,2469.54 cw(c6149.44,2470.01) 6085,2534.45 ; pad.1 6070,2650 ; 6070,2650 6085,2635 6085,2534.45
  Bottom Layer w20: R1.2@5580,2560 v1(5680,2560) v1(5760,2560) 5855,2560 5945.55,2469.45 U2.2 ; R1.2@5593.54,2573.54 ccw(c5626.21,2606.21) 5626.21,2560 ; U2.2@5990.68,2459.82 ccw(c5967.43,2436.56) 5967.43,2469.45 ccw(c5967.43,2502.34) U2.2@5990.68,2479.08
  other v1: 5965,2163.5
pads on no net: U1.2 U1.3 U1.4 U1.11 U1.12 U1.13 U1.14 U1.16 U1.17 U1.19 U1.28 U1.29 U1.38 U1.39 U1.40 U2.4 USB.5

## Polygon pours and split planes (outlines as drawn)
GND on Top Layer "Bottom Layer-No Net" (hatched 90Degree grid 20 track 8, pour order 1000): 4770,2719 4875,2824 6390,2824 6390,2102 4873,2102 4770,2205
GND on Bottom Layer "Bottom Layer-No Net" (hatched 90Degree grid 20 track 8, pour order 1001): 4770,2719 4875,2824 6390,2824 6390,2102 4873,2102 4770,2205

## Keep-outs
Keep-Out Layer:
  the board outline again, w10

## Other copper
Top Layer:
  text "ST-Link V2" at 4880,2755 h60
Bottom Layer:
  text "ST-Link V2" at 6350,2615 h60 r90

## Silkscreen, mask and mechanical layers (free items; w line width, h text height)
Top Overlay:
  text "GND" at 5120,2685 h30
  text "GND" at 4900,2670 h30
  text "RST" at 5155,2560 h30 r90
  text "TCK" at 4935,2545 h30 r90
  text "RST" at 4935,2445 h30 r90
  text "SWIM" at 5155,2400 h30 r90
  text "TMS" at 4935,2335 h30 r90
  text "VCC" at 5120,2335 h30
  text "VCC" at 4900,2260 h30
  text "ST-Link V2" at 4920,2140 h90
Bottom Overlay:
  text "Designed by 特种兵" at 5325,2175 h70
  text "2014年4月" at 5155,2125 h60
Top Solder:
  rectangle: 4875,2745 5180,2820